# KiCad board motordecoder2-K3057.kicad_pcb (continued)
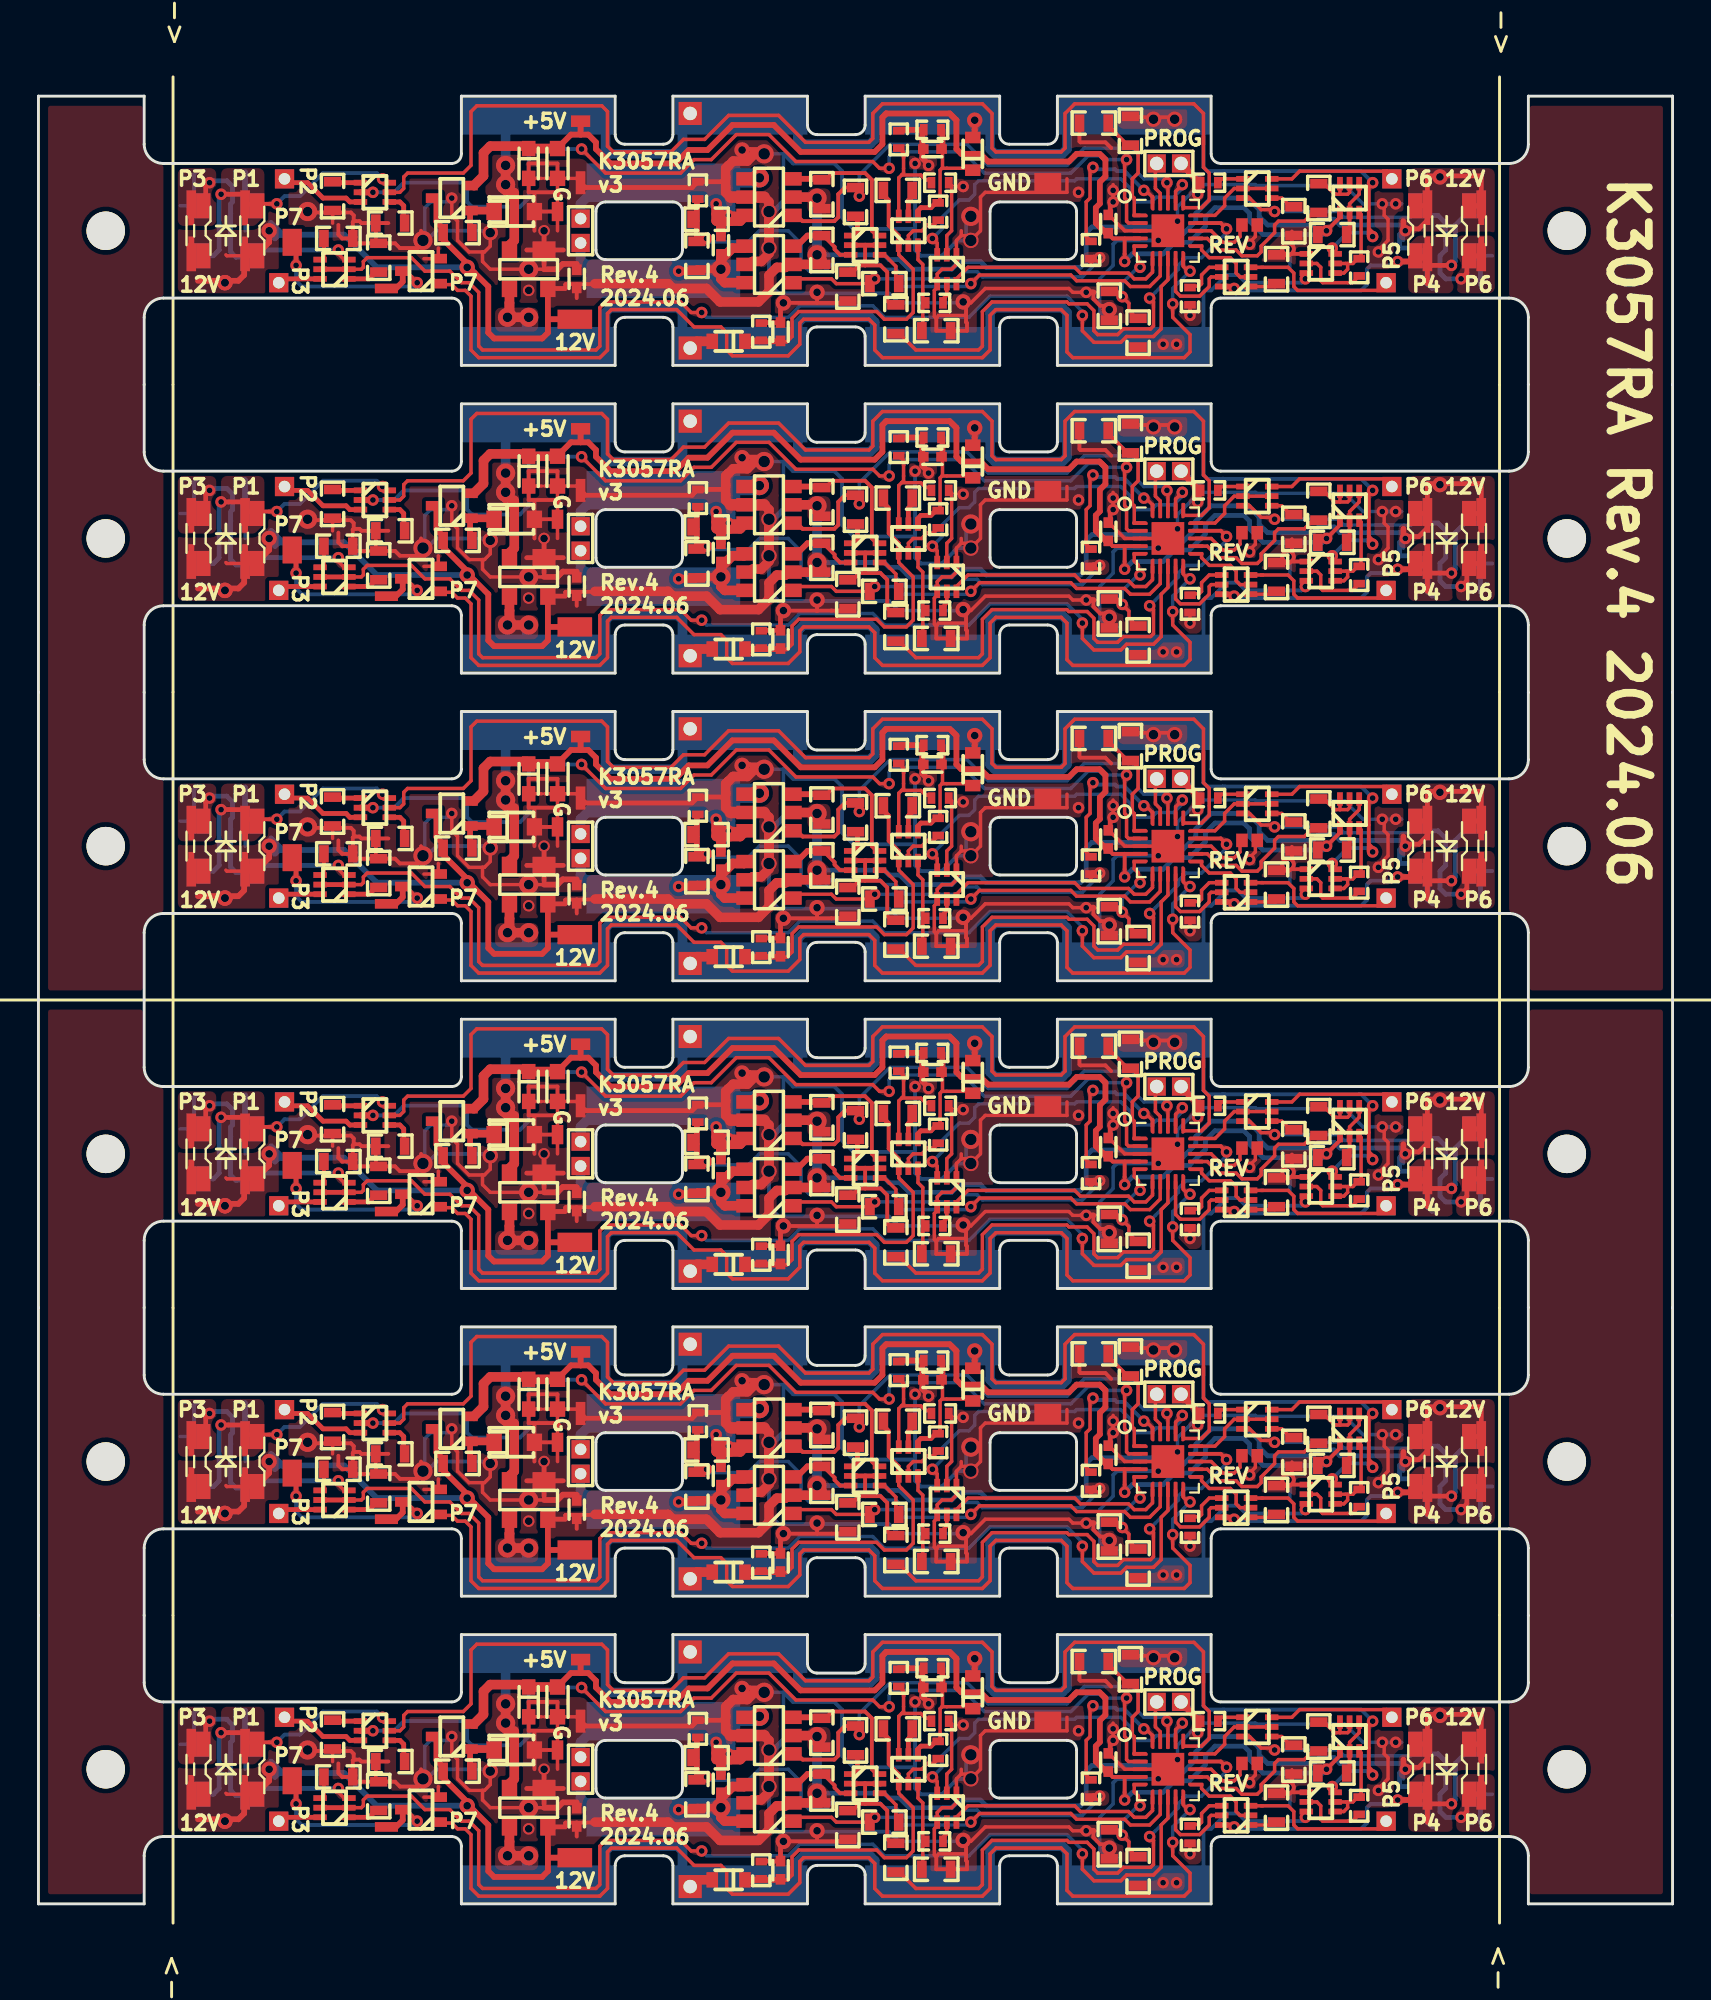
[diagram p0: board, top side]
## Routing (per net, layer and track width the routed paths; a pad name or vN(x,y) marks a point on that pad's centre or on a via; arc(x,y) is an arc through that point) (continued)
GND: length 1124.3
  Top w0.18: 23.1,21.9 22.4,21.9 21.8,22.5 21.8,23.5 21.5,23.8 v1(21.5,24.7) ; 23.1,21.9 23.2,21.9 23.5,22.2 v3(23.5,22.9) ; 23.1,21.9 23.1,21.4 23.5,21 26.3,21 26.3,21.2 ; 46.8,50.6 48.2,50.6 48.25,50.65 ; 27,55 P20.1 27,56.9 ; R160.2 17.55,22.5 R158.2 ; 23.1,69.9 23.1,69.4 23.5,69 26.3,69 26.3,69.2 ; 23.1,69.9 23.2,69.9 23.5,70.2 v3(23.5,70.9) ; 23.1,69.9 22.4,69.9 21.8,70.5 21.8,71.5 21.5,71.8 v1(21.5,72.7) ; 20.8,37.55 20.8,38.1 ; 48,54.75 48,55 ; 48,54.75 47.75,54.5 Q39.1 47.75,53.25 47.5,53 47,53 46.75,52.75 Q39.4 46.75,52.05 46.6,51.9 46.6,50.55 46.7,50.45 ; 48,54.75 48.75,54.75 49,55 49,56.75 49.25,57 53.5,57 53.5,57.7 ; 70,56.4 70,55.8 70.2,55.6 70.2,54.5 69.5,53.8 ; 48.25,67.25 48.5,67.25 49.25,68 53.6,68 53.8,67.8 v1(54.5,67.8) ; C23.2 27,41 27.1,40.9 ; C23.2 26.33,41.72 ; C23.2 27.97,41.72 P68.1 ; R24.2 17.55,86.5 R26.2 ; C37.2 27,9 27.1,8.9 ; C37.2 27.97,9.72 P106.1 ; C37.2 26.33,9.72 ; 69.5,37.8 70.2,38.5 70.2,39.6 70,39.8 70,40.4 ; 59.9,67.08 v1(59.9,66.6) ; R192.2 17.55,6.5 R194.2 ; 27,87 P8.1 27,88.9 ; 23.1,37.9 23.2,37.9 23.5,38.2 v3(23.5,38.9) ; 23.1,37.9 22.4,37.9 21.8,38.5 21.8,39.5 21.5,39.8 v1(21.5,40.7) ; 23.1,37.9 23.1,37.4 23.5,37 26.3,37 26.3,37.2 ; 70,72.4 70,71.8 70.2,71.6 70.2,70.5 69.5,69.8 ; 27,39 P65.1 27,40.9 ; U3.21 U3.3 56.5,71 55.75,71.75 55.75,72.5 ; 27,7 P103.1 27,8.9 ; 48,22.75 47.75,22.5 Q65.1 47.75,21.25 47.5,21 47,21 46.75,20.75 Q65.4 46.75,20.05 46.6,19.9 46.6,18.55 46.7,18.45 ; 48,22.75 48.75,22.75 49,23 49,24.75 49.25,25 53.5,25 53.5,25.7 ; 48,22.75 48,23 ; 23.1,53.9 23.2,53.9 23.5,54.2 v3(23.5,54.9) ; 23.1,53.9 22.4,53.9 21.8,54.5 21.8,55.5 21.5,55.8 v1(21.5,56.7) ; 23.1,53.9 23.1,53.4 23.5,53 26.3,53 26.3,53.2 ; 27,71 P14.1 27,72.9 ; 48.25,51.25 48.5,51.25 49.25,52 53.6,52 53.8,51.8 v1(54.5,51.8) ; 55.9,89.4 55.9,88.8 ; v1(63,86.3) 63,86.4 63.3,86.7 63.3,87.1 63.5,87.3 ; 48,70.75 48,71 ; 48,70.75 48.75,70.75 49,71 49,72.75 49.25,73 53.5,73 53.5,73.7 ; 48,70.75 47.75,70.5 Q26.1 47.75,69.25 47.5,69 47,69 46.75,68.75 Q26.4 46.75,68.05 46.6,67.9 46.6,66.55 46.7,66.45 ; 48,86.75 48.75,86.75 49,87 49,88.75 49.25,89 53.5,89 53.5,89.7 ; 48,86.75 48,87 ; 48,86.75 47.75,86.5 Q22.1 47.75,85.25 47.5,85 47,85 46.75,84.75 Q22.4 46.75,84.05 46.6,83.9 46.6,82.55 46.7,82.45 ; C6.2 27.97,73.72 P17.1 ; C6.2 26.33,73.72 ; C6.2 27,73 27.1,72.9 ; v3(23.5,86.9) 23.5,86.2 23.2,85.9 23.1,85.9 ; 46.8,2.6 48.2,2.6 48.25,2.65 ; Q76.2 20.05,5.55 ; 46.8,18.6 48.2,18.6 48.25,18.65 ; Q63.2 20.05,21.55 ; 55.75,24.5 55.75,23.75 56.5,23 U6.3 U6.21 ; 46.8,66.6 48.2,66.6 48.25,66.65 ; 70,88.4 70,87.8 70.2,87.6 70.2,86.5 69.5,85.8 ; 63.5,23.3 63.3,23.1 63.3,22.7 63,22.4 v1(63,22.3) ; Q24.2 20.05,69.55 ; 20.8,53.55 20.8,54.1 ; 19.75,22.1 20.05,22.4 20.1,22.4 ; 20.1,38.4 20.05,38.4 19.75,38.1 ; 20.8,5.55 20.8,6.1 ; U5.21 U5.3 56.5,39 55.75,39.75 55.75,40.5 ; R21.2 15.3,87.4 ; 65.2,38.67 65.2,38.97 ; 23.1,5.9 22.4,5.9 21.8,6.5 21.8,7.5 21.5,7.8 v1(21.5,8.7) ; 23.1,5.9 23.2,5.9 23.5,6.2 v3(23.5,6.9) ; 23.1,5.9 23.1,5.4 23.5,5 26.3,5 26.3,5.2 ; C16.2 26.33,57.72 ; C16.2 27.97,57.72 P49.1 ; C16.2 27,57 27.1,56.9 ; 55.75,8.5 55.75,7.75 56.5,7 U7.3 U7.21 ; Q50.2 20.05,37.55 ; P11.1 27.97,89.72 C3.2 ; 65.2,6.67 65.2,6.97 ; C30.2 27,25 27.1,24.9 ; C30.2 27.97,25.72 P87.1 ; C30.2 26.33,25.72 ; 55.75,88.5 55.75,87.75 56.5,87 U2.3 U2.21 ; Q37.2 20.05,53.55 ; 48.25,35.25 48.5,35.25 49.25,36 53.6,36 53.8,35.8 v1(54.5,35.8) ; 20.8,85.55 20.8,86.1 ; 70,24.4 70,23.8 70.2,23.6 70.2,22.5 69.5,21.8 ; 46.7,34.45 46.6,34.55 46.6,35.9 46.75,36.05 Q52.4 46.75,36.75 47,37 47.5,37 47.75,37.25 Q52.1 47.75,38.5 48,38.75 ; R155.2 15.3,23.4 ; C8.2 26.17,73.72 ; 69.5,5.8 70.2,6.5 70.2,7.6 70,7.8 70,8.4 ; C24.2 26.17,41.72 ; 19.75,70.1 20.05,70.4 20.1,70.4 ; 55.9,57.4 55.9,56.8 ; C31.2 26.17,25.72 ; U4.21 U4.3 56.5,55 55.75,55.75 55.75,56.5 ; 59.9,83.08 v1(59.9,82.6) ; R90.2 17.55,54.5 R92.2 ; C38.2 26.17,9.72 ; 59.9,35.08 v1(59.9,34.6) ; 46.8,82.6 48.2,82.6 48.25,82.65 ; 26.3,85.2 26.3,85 23.5,85 23.1,85.4 23.1,85.9 ; 20.1,6.4 20.05,6.4 19.75,6.1 ; 48,38.75 48.75,38.75 49,39 49,40.75 49.25,41 53.5,41 53.5,41.7 ; 48,38.75 48,39 ; 20.8,21.55 20.8,22.1 ; 48.25,19.25 48.5,19.25 49.25,20 53.6,20 53.8,19.8 v1(54.5,19.8) ; 48.25,83.25 48.5,83.25 49.25,84 53.6,84 53.8,83.8 v1(54.5,83.8) ; 19.75,86.1 20.05,86.4 20.1,86.4 ; 59.9,19.08 v1(59.9,18.6) ; 23.1,85.9 22.4,85.9 21.8,86.5 21.8,87.5 21.5,87.8 v1(21.5,88.7) ; C3.2 27,89 27.1,88.9 ; C3.2 26.33,89.72 ; R53.2 15.3,71.4 ; 55.9,73.4 55.9,72.8 ; C4.2 26.17,89.72 ; 53.5,9.7 53.5,9 49.25,9 49,8.75 49,7 48.75,6.75 48,6.75 ; 65.2,54.67 65.2,54.97 ; R126.2 17.55,38.5 R124.2 ; v1(63,38.3) 63,38.4 63.3,38.7 63.3,39.1 63.5,39.3 ; v1(63,70.3) 63,70.4 63.3,70.7 63.3,71.1 63.5,71.3 ; 48,6.75 48,7 ; 48,6.75 47.75,6.5 Q78.1 47.75,5.25 47.5,5 47,5 46.75,4.75 Q78.4 46.75,4.05 46.6,3.9 46.6,2.55 46.7,2.45 ; 55.9,25.4 55.9,24.8 ; v1(54.5,3.8) 53.8,3.8 53.6,4 49.25,4 48.5,3.25 48.25,3.25 ; 46.8,34.6 48.2,34.6 48.25,34.65 ; C17.2 26.17,57.72 ; 20.1,54.4 20.05,54.4 19.75,54.1 ; 65.2,86.67 65.2,86.97 ; 63.5,7.3 63.3,7.1 63.3,6.7 63,6.4 v1(63,6.3) ; R87.2 15.3,55.4 ; 20.8,69.55 20.8,70.1 ; 59.9,3.08 v1(59.9,2.6) ; 65.2,22.67 65.2,22.97 ; 65.2,70.67 65.2,70.97 ; Q15.2 20.05,85.55 ; 27,24.9 P84.1 27,23 ; R58.2 17.55,70.5 R56.2 ; R121.2 15.3,39.4 ; v1(63,54.3) 63,54.4 63.3,54.7 63.3,55.1 63.5,55.3 ; 59.9,51.08 v1(59.9,50.6) ; 55.9,9.4 55.9,8.8 ; 55.9,41.4 55.9,40.8 ; R189.2 15.3,7.4
  Top w0.2: 18.2,7.4 16.8,7.4 16.7,7.5 16.4,7.5 ; D4.2 25.8,71 ; D4.2 25.8,72.9 ; D4.2 P14.1 ; 25.8,24.9 D10.2 ; D10.2 P84.1 ; D10.2 25.8,23 ; 16.4,71.5 16.35,71.45 R59.2 ; 16.4,71.5 16.7,71.5 16.8,71.4 18.2,71.4 ; 16.4,71.5 16.4,71.8 16.25,71.95 13.95,71.95 14.1,71.8 14.3,71.8 ; Q17.1 65.1,69.8 65.2,69.9 65.2,70.67 ; 16.3,6.35 18.55,6.35 18.8,6.1 19.75,6.1 ; 16.3,22.35 18.55,22.35 18.8,22.1 19.75,22.1 ; 14.3,87.8 14.1,87.8 13.95,87.95 16.25,87.95 16.4,87.8 16.4,87.5 ; 15.6,7.3 15.6,6.8 15.8,6.6 16.4,6.6 ; 37.25,11 37,11.25 36.75,11.25 37.75,11.25 ; 48.25,3.25 48.25,2.25 48.3,2.2 48.3,1.8 46.7,1.8 46.7,2.45 46.75,2.5 ; C30.2 27,26.5 25.5,26.5 C31.2 25.5,25 27,25 ; 65.2,6.67 65.2,5.9 65.1,5.8 Q71.1 ; R120.2 55.7,35.1 55.23,35.1 54.88,35.45 54.88,35.8 ; R154.2 55.7,19.1 55.23,19.1 54.88,19.45 54.88,19.8 ; 40.5,83.25 40.5,84 40.5,83.95 ; 40.5,83.25 v4(38.75,83.25) ; 40.5,83.25 42,83.25 R8.2 ; 16.3,38.35 18.55,38.35 18.8,38.1 19.75,38.1 ; 40.5,51.95 40.5,52 40.5,51.25 ; 18.2,39.4 16.8,39.4 16.7,39.5 16.4,39.5 ; 40.5,3.25 40.5,4 40.5,3.95 ; 40.5,3.25 v4(38.75,3.25) ; 40.5,3.25 42,3.25 R178.2 ; 14.3,39.8 14.1,39.8 13.95,39.95 16.25,39.95 16.4,39.8 16.4,39.5 ; 55.8,11.3 55.5,11.6 54.2,11.6 54.15,11.65 R187.2 ; 16.4,87.5 16.35,87.45 R27.2 ; 16.4,87.5 16.7,87.5 16.8,87.4 18.2,87.4 ; 48.25,19.25 48.25,18.25 48.3,18.2 48.3,17.8 46.7,17.8 46.7,18.45 46.75,18.5 ; 40.5,19.25 42,19.25 R144.2 ; 40.5,19.25 v4(38.75,19.25) ; 40.5,19.25 40.5,20 40.5,19.95 ; 14.3,23.8 14.1,23.8 13.95,23.95 16.25,23.95 16.4,23.8 16.4,23.5 ; 48.25,51.25 48.25,50.25 48.3,50.2 48.3,49.8 46.7,49.8 46.7,50.45 46.75,50.5 ; 25.8,40.9 D8.2 ; D8.2 P65.1 ; D8.2 25.8,39 ; 16.4,55.5 16.4,55.8 16.25,55.95 13.95,55.95 14.1,55.8 14.3,55.8 ; 16.4,55.5 16.7,55.5 16.8,55.4 18.2,55.4 ; 16.4,55.5 16.35,55.45 R93.2 ; 37.75,75.25 36.75,75.25 37,75.25 37.25,75 ; C37.2 27,10.5 25.5,10.5 C38.2 25.5,9 27,9 ; 37.25,91 37,91.25 36.75,91.25 37.75,91.25 ; D6.2 25.8,55 ; D6.2 P20.1 ; D6.2 25.8,56.9 ; R17.2 54.15,91.65 54.2,91.6 55.5,91.6 55.8,91.3 ; 37.25,43 37,43.25 36.75,43.25 37.75,43.25 ; 40.5,35.25 42,35.25 R110.2 ; 40.5,35.25 v4(38.75,35.25) ; 40.5,35.25 40.5,36 40.5,35.95 ; Q8.1 65.1,85.8 65.2,85.9 65.2,86.67 ; 54.88,83.8 54.88,83.45 55.23,83.1 55.7,83.1 R18.2 ; 16.4,39.5 16.35,39.45 R127.2 ; Q32.1 65.1,53.8 65.2,53.9 65.2,54.67 ; 16.4,23.5 16.7,23.5 16.8,23.4 18.2,23.4 ; 16.4,23.5 16.35,23.45 R161.2 ; 20.1,70.4 19.9,70.6 19.9,71 ; 19.9,7 19.9,6.6 20.1,6.4 ; 48.25,83.25 48.25,82.25 48.3,82.2 48.3,81.8 46.7,81.8 46.7,82.45 46.75,82.5 ; 55.8,59.3 55.5,59.6 54.2,59.6 54.15,59.65 R85.2 ; R42.2 42,67.25 40.5,67.25 ; 27,41 25.5,41 C24.2 25.5,42.5 27,42.5 C23.2 ; 37.25,59 37,59.25 36.75,59.25 37.75,59.25 ; R188.2 55.7,3.1 55.23,3.1 54.88,3.45 54.88,3.8 ; 37.25,27 37,27.25 36.75,27.25 37.75,27.25 ; 16.5,6.67 16.42,6.6 ; Q45.1 65.1,37.8 65.2,37.9 65.2,38.67 ; 25.8,88.9 D3.2 ; D3.2 P8.1 ; D3.2 25.8,87 ; 16.4,54.6 15.8,54.6 15.6,54.8 15.6,55.3 ; R51.2 54.15,75.65 54.2,75.6 55.5,75.6 55.8,75.3 ; 40.5,67.95 40.5,68 40.5,67.25 ; 27,73 25.5,73 C8.2 25.5,74.5 27,74.5 C6.2 ; 40.5,67.25 v4(38.75,67.25) ; 16.4,38.6 15.8,38.6 15.6,38.8 15.6,39.3 ; 65.2,22.67 65.2,21.9 65.1,21.8 Q58.1 ; 54.88,67.8 54.88,67.45 55.23,67.1 55.7,67.1 R52.2 ; 16.4,86.6 15.8,86.6 15.6,86.8 15.6,87.3 ; 19.75,86.1 18.8,86.1 18.55,86.35 16.3,86.35 ; 15.6,23.3 15.6,22.8 15.8,22.6 16.4,22.6 ; R119.2 54.15,43.65 54.2,43.6 55.5,43.6 55.8,43.3 ; 16.4,70.6 15.8,70.6 15.6,70.8 15.6,71.3 ; 16.5,70.67 16.42,70.6 ; R76.2 42,51.25 40.5,51.25 ; 19.9,39 19.9,38.6 20.1,38.4 ; 16.4,7.5 16.4,7.8 16.25,7.95 13.95,7.95 14.1,7.8 14.3,7.8 ; 16.4,7.5 16.35,7.45 R195.2 ; P103.1 D62.2 ; D62.2 25.8,8.9 ; D62.2 25.8,7 ; C16.2 27,58.5 25.5,58.5 C17.2 25.5,57 27,57 ; 16.3,54.35 18.55,54.35 18.8,54.1 19.75,54.1 ; 19.9,55 19.9,54.6 20.1,54.4 ; 16.3,70.35 18.55,70.35 18.8,70.1 19.75,70.1 ; 40.5,51.25 v4(38.75,51.25) ; R153.2 54.15,27.65 54.2,27.6 55.5,27.6 55.8,27.3 ; 16.5,86.67 16.42,86.6 ; 16.5,54.67 16.42,54.6 ; 46.75,34.5 46.7,34.45 46.7,33.8 48.3,33.8 48.3,34.2 48.25,34.25 48.25,35.25 ; 46.75,66.5 46.7,66.45 46.7,65.8 48.3,65.8 48.3,66.2 48.25,66.25 48.25,67.25 ; R86.2 55.7,51.1 55.23,51.1 54.88,51.45 54.88,51.8 ; 19.9,23 19.9,22.6 20.1,22.4 ; 27,89 25.5,89 C4.2 25.5,90.5 27,90.5 C3.2 ; 16.5,38.67 16.42,38.6 ; 16.5,22.67 16.42,22.6 ; 19.9,87 19.9,86.6 20.1,86.4
  Top w0.25: 59.7,58.48 59.38,58.8 ; 55.75,71.78 55.75,72.45 55.9,72.6 ; 55.9,8.6 55.75,8.45 55.75,7.78 ; R100.2 37.62,50.22 C21.2 38.6,51.1 v4(38.75,51.25) 38.5,51.25 ; D61.1 26.3,5.2 ; D61.1 27.3,6 ; D61.1 25.4,6 ; D61.1 v7(26.3,7) ; 65.1,37.8 65.05,37.75 R122.2 ; P106.1 28.45,9.25 34,9.25 R186.2 35.55,9.55 35.75,9.75 ; D7.1 26.3,37.2 ; D7.1 v7(26.3,39) ; D7.1 27.3,38 ; D7.1 25.4,38 ; Q45.1 65.7,37.8 ; 65.1,53.8 65.05,53.75 R88.2 ; 35.75,89.75 35.55,89.55 R16.2 34,89.25 28.45,89.25 P11.1 ; R190.2 65.05,5.75 65.1,5.8 ; Q32.1 65.7,53.8 ; R36.2 37.62,82.22 C12.2 38.6,83.1 v4(38.75,83.25) 38.5,83.25 ; D1.1 27.3,86 ; D1.1 26.3,85.2 ; D1.1 25.4,86 ; D1.1 v7(26.3,87) ; D9.1 26.3,21.2 ; D9.1 27.3,22 ; D9.1 v7(26.3,23) ; D9.1 25.4,22 ; R22.2 65.05,85.75 65.1,85.8 ; 55.75,23.78 55.75,24.45 55.9,24.6 ; 59.7,74.48 59.38,74.8 ; 59.7,42.48 59.38,42.8 ; R168.2 37.62,18.22 C35.2 38.6,19.1 v4(38.75,19.25) 38.5,19.25 ; P87.1 28.45,25.25 34,25.25 R152.2 35.55,25.55 35.75,25.75 ; 55.9,88.6 55.75,88.45 55.75,87.78 ; D5.1 26.3,53.2 ; D5.1 27.3,54 ; D5.1 25.4,54 ; D5.1 v7(26.3,55) ; 38.5,67.25 v4(38.75,67.25) 38.6,67.1 C14.2 37.62,66.22 R66.2 ; D2.1 27.3,70 ; D2.1 25.4,70 ; D2.1 v7(26.3,71) ; D2.1 26.3,69.2 ; 65.1,21.8 65.05,21.75 R156.2 ; P68.1 28.45,41.25 34,41.25 R118.2 35.55,41.55 35.75,41.75 ; 35.75,57.75 35.55,57.55 R84.2 34,57.25 28.45,57.25 P49.1 ; R134.2 37.62,34.22 C28.2 38.6,35.1 v4(38.75,35.25) 38.5,35.25 ; Q58.1 65.7,21.8 ; R54.2 65.05,69.75 65.1,69.8 ; 59.7,26.48 59.38,26.8 ; 55.9,56.6 55.75,56.45 55.75,55.78 ; Q8.1 65.7,85.8 ; Q17.1 65.7,69.8 ; P17.1 28.45,73.25 34,73.25 R50.2 35.55,73.55 35.75,73.75 ; 59.7,10.48 59.38,10.8 ; 55.75,39.78 55.75,40.45 55.9,40.6 ; 59.7,90.48 59.38,90.8 ; Q71.1 65.7,5.8 ; 38.5,3.25 v4(38.75,3.25) 38.6,3.1 C42.2 37.62,2.22 R202.2
  Top w0.3: 28,53.28 27.28,53.28 27,53 26.3,53 ; 26.3,69 27,69 27.28,69.28 28,69.28 ; 60.38,9.5 60.38,9.53 59.9,10 ; 59.9,58 60.38,57.53 60.38,57.5 ; 59.9,58 59.4,58.5 59.34,58.5 ; 59.9,58 59.7,58.2 ; 59.9,42 59.7,42.2 ; 59.9,42 59.4,42.5 59.34,42.5 ; 59.9,42 60.38,41.53 60.38,41.5 ; 59.34,74.5 59.4,74.5 59.9,74 ; 46.22,74.53 46.27,74.53 46.27,74.52 ; 46.27,90.52 46.27,90.53 46.22,90.53 ; 59.9,26 60.38,25.53 60.38,25.5 ; 59.9,26 59.4,26.5 59.34,26.5 ; 59.9,26 59.7,26.2 ; 46.25,58.5 45.97,58.78 45.97,60.25 44.78,60.25 ; 46.22,58.53 46.27,58.53 46.27,58.52 ; 26.3,21 27,21 27.28,21.28 28,21.28 ; 28,5.28 27.28,5.28 27,5 26.3,5 ; 60.38,89.5 60.38,89.53 59.9,90 ; 60.38,73.5 60.38,73.53 59.9,74 ; 54.88,51.8 54.3,51.8 ; 46.22,42.53 46.27,42.53 46.27,42.52 ; 59.9,74 59.7,74.2 ; 46.22,26.53 46.27,26.53 46.27,26.52 ; 44.78,44.25 45.97,44.25 45.97,42.78 46.25,42.5 ; 59.9,10 59.4,10.5 59.34,10.5 ; 59.9,10 59.7,10.2 ; 46.25,90.5 45.97,90.78 45.97,92.25 44.78,92.25 ; 54.88,19.8 54.3,19.8 ; 46.27,10.52 46.27,10.53 46.22,10.53 ; 54.88,3.8 54.3,3.8 ; 26.3,37 27,37 27.28,37.28 28,37.28 ; 59.9,90 59.7,90.2 ; 59.9,90 59.4,90.5 59.34,90.5 ; 28,85.28 27.28,85.28 27,85 26.3,85 ; 54.88,83.8 54.3,83.8 ; 46.25,26.5 45.97,26.78 45.97,28.25 44.78,28.25 ; 44.78,76.25 45.97,76.25 45.97,74.78 46.25,74.5 ; 54.88,35.8 54.3,35.8 ; 46.25,10.5 45.97,10.78 45.97,12.25 44.78,12.25 ; 54.88,67.8 54.3,67.8
  Top w0.4: 60.38,57.5 60.3,57.42 v1(60.3,56.9) ; v1(60.3,40.9) 60.3,41.42 60.38,41.5 ; 60.38,89.5 60.3,89.42 v1(60.3,88.9) ; 60.38,73.5 60.3,73.42 v1(60.3,72.9) ; v1(60.3,24.9) 60.3,25.42 60.38,25.5 ; v1(60.3,8.9) 60.3,9.42 60.38,9.5
  Top w0.5: 38,6.5 38,7 ; 38,6.5 38,5.81 37.59,5.41 37.16,5.41 37,5.25 Q67.5 ; 38,6.5 v6(38,6.1) ; 38,7 v6(38,8) ; 38,7 38,8.5 37.75,8.75 ; 37.25,43 36.88,42.62 36.14,42.62 35.89,42.38 35.88,42.38 35.75,42.25 35.75,41 36,40.75 ; 38,38.5 v6(38,38.1) ; 38,38.5 38,37.81 37.59,37.41 37.16,37.41 37,37.25 Q41.5 ; 38,38.5 38,39 ; 37.75,40.75 38,40.5 38,39 ; 38,23 38,24.5 37.75,24.75 ; 38,23 38,22.5 ; 38,23 v6(38,24) ; 37.75,72.75 38,72.5 38,71 ; 36,72.75 35.75,73 35.75,74.25 35.88,74.38 35.89,74.38 36.14,74.62 36.88,74.62 37.25,75 ; 38,39 v6(38,40) ; 38,22.5 v6(38,22.1) ; 38,22.5 38,21.81 37.59,21.41 37.16,21.41 37,21.25 Q54.5 ; 38,87 v6(38,88) ; 38,87 38,88.5 37.75,88.75 ; 38,87 38,86.5 ; 38,55 v6(38,56) ; 38,55 38,54.5 ; 38,55 38,56.5 37.75,56.75 ; 38,86.5 v6(38,86.1) ; 38,86.5 38,85.81 37.59,85.41 37.16,85.41 37,85.25 Q2.5 ; 38,71 v6(38,72) ; 38,71 38,70.5 ; Q7.5 37,69.25 37.16,69.41 37.59,69.41 38,69.81 38,70.5 ; 37.25,91 36.88,90.62 36.14,90.62 35.89,90.38 35.88,90.38 35.75,90.25 35.75,89 36,88.75 ; 38,54.5 38,53.81 37.59,53.41 37.16,53.41 37,53.25 Q28.5 ; 38,54.5 v6(38,54.1) ; 36,8.75 35.75,9 35.75,10.25 35.88,10.38 35.89,10.38 36.14,10.62 36.88,10.62 37.25,11 ; 38,70.5 v6(38,70.1) ; 37.25,27 36.88,26.62 36.14,26.62 35.89,26.38 35.88,26.38 35.75,26.25 35.75,25 36,24.75 ; 37.25,59 36.88,58.62 36.14,58.62 35.89,58.38 35.88,58.38 35.75,58.25 35.75,57 36,56.75
  Top w0.6: 37.75,24.75 Q53.5 36,24.75 ; 36,88.75 Q1.5 37.75,88.75 ; 36,8.75 Q66.5 37.75,8.75 ; 36,40.75 Q40.5 37.75,40.75 ; 36,72.75 Q4.5 37.75,72.75 ; 36,56.75 Q27.5 37.75,56.75
  Bottom w0.18: 56.1,18.4 55.6,18.4 55.2,18.8 55.2,20.5 55.9,21.2 55.9,22.3 ; v1(59.25,87.5) 59.25,88.25 60.2,89.2 60.2,89.6 60.3,89.7 ; 56.1,50.4 55.6,50.4 55.2,50.8 55.2,52.5 55.9,53.2 55.9,54.3 ; 60.4,57.7 60.4,57.6 60.6,57.4 63.3,57.4 63.35,57.35 67.95,57.35 68.9,56.4 v1(69.9,56.4) ; 60.3,9.7 60.2,9.6 60.2,9.2 59.25,8.25 v1(59.25,7.5) ; v1(69.9,88.4) 68.9,88.4 67.95,89.35 63.35,89.35 63.3,89.4 60.6,89.4 60.4,89.6 60.4,89.7 ; 38.75,40.5 38.75,43 v5(37.75,43) 37.5,43.25 ; 38.75,88.5 38.75,91 v5(37.75,91) 37.5,91.25 ; 48.25,35.25 44.75,35.25 44.25,35.75 44.15,35.75 ; 44.15,3.75 44.25,3.75 44.75,3.25 48.25,3.25 ; 55.9,70.3 55.9,69.2 55.2,68.5 55.2,66.8 55.6,66.4 56.1,66.4 ; 21.5,56.6 21.5,56.5 20.4,56.5 20.1,56.2 20.1,54.4 ; v1(59.25,23.5) 59.25,24.25 60.2,25.2 60.2,25.6 60.3,25.7 ; 21.5,8.6 21.5,8.5 20.4,8.5 20.1,8.2 20.1,6.4 ; v1(59.25,55.5) 59.25,56.25 60.2,57.2 60.2,57.6 60.3,57.7 ; 20.1,70.4 20.1,72.2 20.4,72.5 21.5,72.5 21.5,72.6 ; 37.5,75.25 v5(37.75,75) 38.75,75 38.75,72.5 ; 56.1,2.4 55.6,2.4 55.2,2.8 55.2,4.5 55.9,5.2 55.9,6.3 ; v1(59.25,39.5) 59.25,40.25 60.2,41.2 60.2,41.6 60.3,41.7 ; 38.75,8.5 38.75,11 v5(37.75,11) 37.5,11.25 ; 20.1,86.4 20.1,88.2 20.4,88.5 21.5,88.5 21.5,88.6 ; 20.1,22.4 20.1,24.2 20.4,24.5 21.5,24.5 21.5,24.6 ; 44.15,83.75 44.25,83.75 44.75,83.25 48.25,83.25 ; 56.1,34.4 55.6,34.4 55.2,34.8 55.2,36.5 55.9,37.2 55.9,38.3 ; 21.5,40.6 21.5,40.5 20.4,40.5 20.1,40.2 20.1,38.4 ; 44.15,51.75 44.25,51.75 44.75,51.25 48.25,51.25 ; 44.15,67.75 44.25,67.75 44.75,67.25 48.25,67.25 ; 48.25,19.25 44.75,19.25 44.25,19.75 44.15,19.75 ; 65.1,69.8 65.1,69.1 ; 37.5,27.25 v5(37.75,27) 38.75,27 38.75,24.5 ; v1(69.9,8.4) 68.9,8.4 67.95,9.35 63.35,9.35 63.3,9.4 60.6,9.4 60.4,9.6 60.4,9.7 ; 60.4,41.7 60.4,41.6 60.6,41.4 63.3,41.4 63.35,41.35 67.95,41.35 68.9,40.4 v1(69.9,40.4) ; 48.25,7.5 48.25,6.75 ; 55.9,86.3 55.9,85.2 55.2,84.5 55.2,82.8 55.6,82.4 56.1,82.4 ; 65.1,85.8 65.1,85.1 ; 48.25,39.5 48.25,38.75 ; 48.25,71.5 48.25,70.75 ; v1(59.25,71.5) 59.25,72.25 60.2,73.2 60.2,73.6 60.3,73.7 ; 65.1,21.8 65.1,21.1 ; 60.4,25.7 60.4,25.6 60.6,25.4 63.3,25.4 63.35,25.35 67.95,25.35 68.9,24.4 v1(69.9,24.4) ; 65.1,5.8 65.1,5.1 ; 65.1,37.8 65.1,37.1 ; 48.25,55.5 48.25,54.75 ; 60.4,73.7 60.4,73.6 60.6,73.4 63.3,73.4 63.35,73.35 67.95,73.35 68.9,72.4 v1(69.9,72.4) ; 38.75,56.5 38.75,59 v5(37.75,59) 37.5,59.25 ; 48.25,23.5 48.25,22.75 ; 65.1,53.8 65.1,53.1 ; 48.25,87.5 48.25,86.75
  Bottom w0.2: 23.8,7 20.7,7 20.1,6.4 ; v6(38,70.1) 38,68.25 38.5,67.75 38.75,67.75 ; v6(48.5,22.5) 47.8,22.5 47,21.7 45.9,21.7 45.6,22 45.6,23.1 ; 38.75,43 39.25,42.5 41.4,42.5 41.8,42.1 41.8,39.7 42.4,39.1 45.6,39.1 ; 38.75,35.75 38.5,35.75 38,36.25 v6(38,38.1) ; 38.75,35.75 44.15,35.75 ; 38.75,35.75 v4(38.75,35.25) ; 45.6,7.1 42.4,7.1 41.8,7.7 41.8,10.1 41.4,10.5 39.25,10.5 38.75,11 ; 45.6,7.1 45.6,6 45.9,5.7 47,5.7 47.8,6.5 v6(48.5,6.5) ; 45.6,7.1 v1(45.6,10.5) ; v6(38,22.1) 38,20.25 38.5,19.75 38.75,19.75 ; v1(45.6,58.5) 45.6,55.1 ; v1(45.6,26.5) 45.6,23.1 ; 23.8,71 20.7,71 20.1,70.4 ; v6(48.5,70.5) 47.8,70.5 47,69.7 45.9,69.7 45.6,70 45.6,71.1 ; 38.75,83.75 44.15,83.75 ; 38.75,83.75 v4(38.75,83.25) ; 38.75,83.75 38.5,83.75 38,84.25 v6(38,86.1) ; 20.1,54.4 20.7,55 23.8,55 ; 45.6,55.1 45.6,54 45.9,53.7 47,53.7 47.8,54.5 v6(48.5,54.5) ; 45.6,55.1 42.4,55.1 41.8,55.7 41.8,58.1 41.4,58.5 39.25,58.5 38.75,59 ; v1(45.6,90.5) 45.6,87.1 ; 45.6,71.1 v1(45.6,74.5) ; 45.6,71.1 42.4,71.1 41.8,71.7 41.8,74.1 41.4,74.5 39.25,74.5 38.75,75 ; 70.1,24.4 70.9,24.4 ; 23.8,87 20.7,87 20.1,86.4 ; 23.8,23 20.7,23 20.1,22.4 ; 70.1,40.4 70.9,40.4 ; v4(38.75,19.25) 38.75,19.75 ; 38.75,19.75 44.15,19.75 ; 45.6,39.1 45.6,38 45.9,37.7 47,37.7 47.8,38.5 v6(48.5,38.5) ; 45.6,39.1 v1(45.6,42.5) ; 45.6,87.1 42.4,87.1 41.8,87.7 41.8,90.1 41.4,90.5 39.25,90.5 38.75,91 ; 45.6,87.1 45.6,86 45.9,85.7 47,85.7 47.8,86.5 v6(48.5,86.5) ; v1(58.25,6.5) 56.1,6.5 55.9,6.3 ; 38.75,67.75 44.15,67.75 ; 38.75,67.75 v4(38.75,67.25) ; 38.75,51.75 44.15,51.75 ; 38.75,51.75 38.5,51.75 38,52.25 v6(38,54.1) ; 38.75,51.75 v4(38.75,51.25) ; 38.75,3.75 38.5,3.75 38,4.25 v6(38,6.1) ; 38.75,3.75 44.15,3.75 ; 38.75,3.75 v4(38.75,3.25) ; 70.1,88.4 70.9,88.4 ; v1(58.25,38.5) 56.1,38.5 55.9,38.3 ; 55.9,70.3 56.1,70.5 v1(58.25,70.5) ; 45.6,23.1 42.4,23.1 41.8,23.7 41.8,26.1 41.4,26.5 39.25,26.5 38.75,27 ; v1(58.25,54.5) 56.1,54.5 55.9,54.3 ; 70.1,56.4 70.9,56.4 ; 70.1,72.4 70.9,72.4 ; 70.1,8.4 70.9,8.4 ; v1(58.25,86.5) 56.1,86.5 55.9,86.3 ; 20.1,38.4 20.7,39 23.8,39 ; 55.9,22.3 56.1,22.5 v1(58.25,22.5)
  Bottom w0.3: v6(38,88) 38.25,88 38.75,88.5 ; 38.75,8.5 38.25,8 v6(38,8) ; P15.2 59.5,74.5 60.3,73.7 60.4,73.7 ; v6(38,24) 38.25,24 38.75,24.5 ; v6(38,40) 38.25,40 38.75,40.5 ; P104.2 59.5,10.5 60.3,9.7 60.4,9.7 ; v6(38,56) 38.25,56 38.75,56.5 ; P66.2 59.5,42.5 60.3,41.7 60.4,41.7 ; 38.75,72.5 38.25,72 v6(38,72) ; 60.4,25.7 60.3,25.7 59.5,26.5 P85.2 ; P47.2 59.5,58.5 60.3,57.7 60.4,57.7 ; P9.2 59.5,90.5 60.3,89.7 60.4,89.7
  vias: v1(46.3,90.4) v1(46.3,74.4) v1(46.3,58.4) v1(46.3,42.4) v1(46.3,26.4) v1(46.3,10.4) v1(48.1,89.3) v1(48.1,73.3) v1(48.1,57.3) v1(48.1,41.3) v1(48.1,25.3) v1(48.1,9.3) v1(54.1,89) v1(54.1,73) v1(54.1,57) v1(54.1,41) v1(54.1,25) v1(54.1,9) v1(55.9,89.1) v1(55.9,88.5) v1(55.9,73.1) v1(55.9,72.5) v1(55.9,57.1) v1(55.9,56.5) v1(55.9,41.1) v1(55.9,40.5) v1(55.9,25.1) v1(55.9,24.5) v1(55.9,9.1) v1(55.9,8.5) v1(69.7,85.9) v1(69.7,69.9) v1(69.7,53.9) v1(69.7,37.9) v1(69.7,21.9) v1(69.7,5.9) v1(70.6,88.4) v1(70.6,72.4) v1(70.6,56.4) v1(70.6,40.4) v1(70.6,24.4) v1(70.6,8.4) v2(14,88) v2(14,72) v2(14,56) v2(14,40) v2(14,24) v2(14,8) v2(25.5,85) v2(25.5,69) v2(25.5,53) v2(25.5,37) v2(25.5,21) v2(25.5,5) v4(36.6,91.2) v4(36.6,75.2) v4(36.6,59.2) v4(36.6,43.2) v4(36.6,27.2) v4(36.6,11.2) v4(40.5,83.8) v4(40.5,67.8) v4(40.5,51.8) v4(40.5,35.8) v4(40.5,19.8) v4(40.5,3.8) v4(48.1,83.3) v4(48.1,67.3) v4(48.1,51.3) v4(48.1,35.3) v4(48.1,19.3) v4(48.1,3.3) v4(55.7,82.9) v4(55.7,66.9) v4(55.7,50.9) v4(55.7,34.9) v4(55.7,18.9) v4(55.7,2.9) v4(65,86.05) v4(65,70.05) v4(65,54.05) v4(65,38.05) v4(65,22.05) v4(65,6.05) v5(20,86.5) v5(20,70.5) v5(20,54.5) v5(20,38.5) v5(20,22.5) v5(20,6.5) v5(48.5,87.75) v5(48.5,71.75) v5(48.5,55.75) v5(48.5,39.75) v5(48.5,23.75) v5(48.5,7.75) v7(25.5,83.9) v7(25.5,67.9) v7(25.5,51.9) v7(25.5,35.9) v7(25.5,19.9) v7(25.5,3.9)
ABC+: length 70.8
  Top w0.18: U6.6 57.95,20.85 57.6,20.5 57,20.5 56.7,20.8 54.2,20.8 53.9,21.1 48.35,21.1 47.75,20.5 Q65.6 ; Q26.6 47.75,68.5 48.35,69.1 53.9,69.1 54.2,68.8 56.7,68.8 57,68.5 57.6,68.5 57.95,68.85 U3.6 ; U2.6 57.95,84.85 57.6,84.5 57,84.5 56.7,84.8 54.2,84.8 53.9,85.1 48.35,85.1 47.75,84.5 Q22.6 ; U5.6 57.95,36.85 57.6,36.5 57,36.5 56.7,36.8 54.2,36.8 53.9,37.1 48.35,37.1 47.75,36.5 Q52.6 ; U7.6 57.95,4.85 57.6,4.5 57,4.5 56.7,4.8 54.2,4.8 53.9,5.1 48.35,5.1 47.75,4.5 Q78.6 ; Q39.6 47.75,52.5 48.35,53.1 53.9,53.1 54.2,52.8 56.7,52.8 57,52.5 57.6,52.5 57.95,52.85 U4.6
ABC-: length 109.2
  Top w0.18: v1(46.5,6.6) 46.75,6.35 Q78.3 ; v1(59.5,25.4) 59.15,25.05 U6.17 ; Q39.3 46.75,54.35 v1(46.5,54.6) ; U4.17 59.15,57.05 v1(59.5,57.4) ; v1(46.5,70.6) 46.75,70.35 Q26.3 ; v1(59.5,9.4) 59.15,9.05 U7.17 ; Q65.3 46.75,22.35 v1(46.5,22.6) ; v1(59.5,41.4) 59.15,41.05 U5.17 ; v1(59.5,73.4) 59.15,73.05 U3.17 ; v1(59.5,89.4) 59.15,89.05 U2.17 ; v1(46.5,38.6) 46.75,38.35 Q52.3 ; v1(46.5,86.6) 46.75,86.35 Q22.3
  Bottom w0.18: v1(46.5,6.6) 47,7.1 47,7.7 47.9,8.6 48.4,8.6 48.7,8.9 48.7,9.4 48.9,9.6 53.9,9.6 54,9.7 56.3,9.7 56.8,9.2 56.8,8.8 57.1,8.5 57.9,8.5 58.15,8.75 59.05,8.75 59.5,9.2 v1(59.5,9.4) ; v1(59.5,41.4) 59.5,41.2 59.05,40.75 58.15,40.75 57.9,40.5 57.1,40.5 56.8,40.8 56.8,41.2 56.3,41.7 54,41.7 53.9,41.6 48.9,41.6 48.7,41.4 48.7,40.9 48.4,40.6 47.9,40.6 47,39.7 47,39.1 v1(46.5,38.6) ; v1(59.5,57.4) 59.5,57.2 59.05,56.75 58.15,56.75 57.9,56.5 57.1,56.5 56.8,56.8 56.8,57.2 56.3,57.7 54,57.7 53.9,57.6 48.9,57.6 48.7,57.4 48.7,56.9 48.4,56.6 47.9,56.6 47,55.7 47,55.1 v1(46.5,54.6) ; v1(59.5,73.4) 59.5,73.2 59.05,72.75 58.15,72.75 57.9,72.5 57.1,72.5 56.8,72.8 56.8,73.2 56.3,73.7 54,73.7 53.9,73.6 48.9,73.6 48.7,73.4 48.7,72.9 48.4,72.6 47.9,72.6 47,71.7 47,71.1 v1(46.5,70.6) ; v1(46.5,22.6) 47,23.1 47,23.7 47.9,24.6 48.4,24.6 48.7,24.9 48.7,25.4 48.9,25.6 53.9,25.6 54,25.7 56.3,25.7 56.8,25.2 56.8,24.8 57.1,24.5 57.9,24.5 58.15,24.75 59.05,24.75 59.5,25.2 v1(59.5,25.4) ; v1(59.5,89.4) 59.5,89.2 59.05,88.75 58.15,88.75 57.9,88.5 57.1,88.5 56.8,88.8 56.8,89.2 56.3,89.7 54,89.7 53.9,89.6 48.9,89.6 48.7,89.4 48.7,88.9 48.4,88.6 47.9,88.6 47,87.7 47,87.1 v1(46.5,86.6)
BEMF: length 48.9
  Top w0.18: v1(57.5,41.1) 57.6,41.1 57.95,40.75 U5.20 ; v1(54.85,74.3) 54.7,74.15 54.7,72.7 54.5,72.5 54.5,70.7 R45.1 ; R11.1 54.5,86.7 54.5,88.5 54.7,88.7 54.7,90.15 v1(54.85,90.3) ; v1(57.5,89.1) 57.6,89.1 57.95,88.75 U2.20 ; v1(57.5,25.1) 57.6,25.1 57.95,24.75 U6.20 ; v1(57.5,9.1) 57.6,9.1 57.95,8.75 U7.20 ; R79.1 54.5,54.7 54.5,56.5 54.7,56.7 54.7,58.15 v1(54.85,58.3) ; R147.1 54.5,22.7 54.5,24.5 54.7,24.7 54.7,26.15 v1(54.85,26.3) ; v1(57.5,73.1) 57.6,73.1 57.95,72.75 U3.20 ; v1(54.85,10.3) 54.7,10.15 54.7,8.7 54.5,8.5 54.5,6.7 R181.1 ; v1(54.85,42.3) 54.7,42.15 54.7,40.7 54.5,40.5 54.5,38.7 R113.1 ; v1(57.5,57.1) 57.6,57.1 57.95,56.75 U4.20
  Bottom w0.2: 54.8,26.2 56,26.2 56.1,26.1 56.5,26.1 v1(57.5,25.1) ; 54.8,74.2 56,74.2 56.1,74.1 56.5,74.1 v1(57.5,73.1) ; v1(57.5,89.1) 56.5,90.1 56.1,90.1 56,90.2 54.8,90.2 ; v1(57.5,9.1) 56.5,10.1 56.1,10.1 56,10.2 54.8,10.2 ; 54.8,58.2 56,58.2 56.1,58.1 56.5,58.1 v1(57.5,57.1) ; v1(57.5,41.1) 56.5,42.1 56.1,42.1 56,42.2 54.8,42.2
DIR_JP: length 20.2
  Top w0.18: 62.5,7.4 62.5,6.7 62.2,6.4 61.6,6.4 61,7 U7.13 ; U5.13 61,39 61.6,38.4 62.2,38.4 62.5,38.7 62.5,39.4 ; U3.13 61,71 61.6,70.4 62.2,70.4 62.5,70.7 62.5,71.4 ; U6.13 61,23 61.6,22.4 62.2,22.4 62.5,22.7 62.5,23.4 ; U4.13 61,55 61.6,54.4 62.2,54.4 62.5,54.7 62.5,55.4 ; 62.5,87.4 62.5,86.7 62.2,86.4 61.6,86.4 61,87 U2.13
Func1: length 307.7
  Top w0.18: U5.2 56.7,39.4 56.6,39.5 56.6,40.6 56.5,40.7 56.5,42.6 v1(56.6,42.7) ; v1(44.25,10.25) 43.75,10.25 43.4,10.6 39.4,10.6 38,12 36.3,12 35,10.7 34.1,10.7 33.4,10 29.5,10 v1(28.25,11.25) ; v1(56.6,10.7) 56.5,10.6 56.5,8.7 56.6,8.6 56.6,7.5 56.7,7.4 U7.2 ; v1(44.25,74.25) 43.75,74.25 43.4,74.6 39.4,74.6 38,76 36.3,76 35,74.7 34.1,74.7 33.4,74 29.5,74 v1(28.25,75.25) ; v1(56.6,90.7) 56.5,90.6 56.5,88.7 56.6,88.6 56.6,87.5 56.7,87.4 U2.2 ; U3.2 56.7,71.4 56.6,71.5 56.6,72.6 56.5,72.7 56.5,74.6 v1(56.6,74.7) ; v1(28.25,59.25) 29.5,58 33.4,58 34.1,58.7 35,58.7 36.3,60 38,60 39.4,58.6 43.4,58.6 43.75,58.25 v1(44.25,58.25) ; U4.2 56.7,55.4 56.6,55.5 56.6,56.6 56.5,56.7 56.5,58.6 v1(56.6,58.7) ; v1(44.25,42.25) 43.75,42.25 43.4,42.6 39.4,42.6 38,44 36.3,44 35,42.7 34.1,42.7 33.4,42 29.5,42 v1(28.25,43.25) ; U6.2 56.7,23.4 56.6,23.5 56.6,24.6 56.5,24.7 56.5,26.6 v1(56.6,26.7) ; v1(28.25,27.25) 29.5,26 33.4,26 34.1,26.7 35,26.7 36.3,28 38,28 39.4,26.6 43.4,26.6 43.75,26.25 v1(44.25,26.25) ; v1(28.25,91.25) 29.5,90 33.4,90 34.1,90.7 35,90.7 36.3,92 38,92 39.4,90.6 43.4,90.6 43.75,90.25 v1(44.25,90.25)
  Top w0.3: v1(17.4,57) Q33.2 ; v1(17.4,9) Q72.2 ; v1(17.4,25) Q59.2 ; v1(17.4,89) Q11.2 ; v1(17.4,41) Q46.2 ; v1(17.4,73) Q18.2
  Bottom w0.18: v1(44.25,10.25) 44.25,10.85 44.5,11.1 48.1,11.1 49.2,10 53.7,10 54.6,10.9 55.2,10.9 55.4,10.7 v1(56.6,10.7) ; v1(44.25,90.25) 44.25,90.85 44.5,91.1 48.1,91.1 49.2,90 53.7,90 54.6,90.9 55.2,90.9 55.4,90.7 v1(56.6,90.7) ; v1(44.25,42.25) 44.25,42.85 44.5,43.1 48.1,43.1 49.2,42 53.7,42 54.6,42.9 55.2,42.9 55.4,42.7 v1(56.6,42.7) ; v1(44.25,74.25) 44.25,74.85 44.5,75.1 48.1,75.1 49.2,74 53.7,74 54.6,74.9 55.2,74.9 55.4,74.7 v1(56.6,74.7) ; v1(44.25,26.25) 44.25,26.85 44.5,27.1 48.1,27.1 49.2,26 53.7,26 54.6,26.9 55.2,26.9 55.4,26.7 v1(56.6,26.7) ; v1(56.6,58.7) 55.4,58.7 55.2,58.9 54.6,58.9 53.7,58 49.2,58 48.1,59.1 44.5,59.1 44.25,58.85 v1(44.25,58.25)